# Altium PCB Phaser.PcbDoc (part 4 of 4)
Units mm, origin at the board's own origin, x right, y up, seen from the top; angles counter-clockwise.
Board outline 161.99 x 100 mm, 6 copper layers (L1, L2, L3, L4, P5, L6), stack 1.648 mm thick; 797 components, 586 nets, 3005 pads, 2 vias.
Unrouted connection lines stored in the file: 1433.
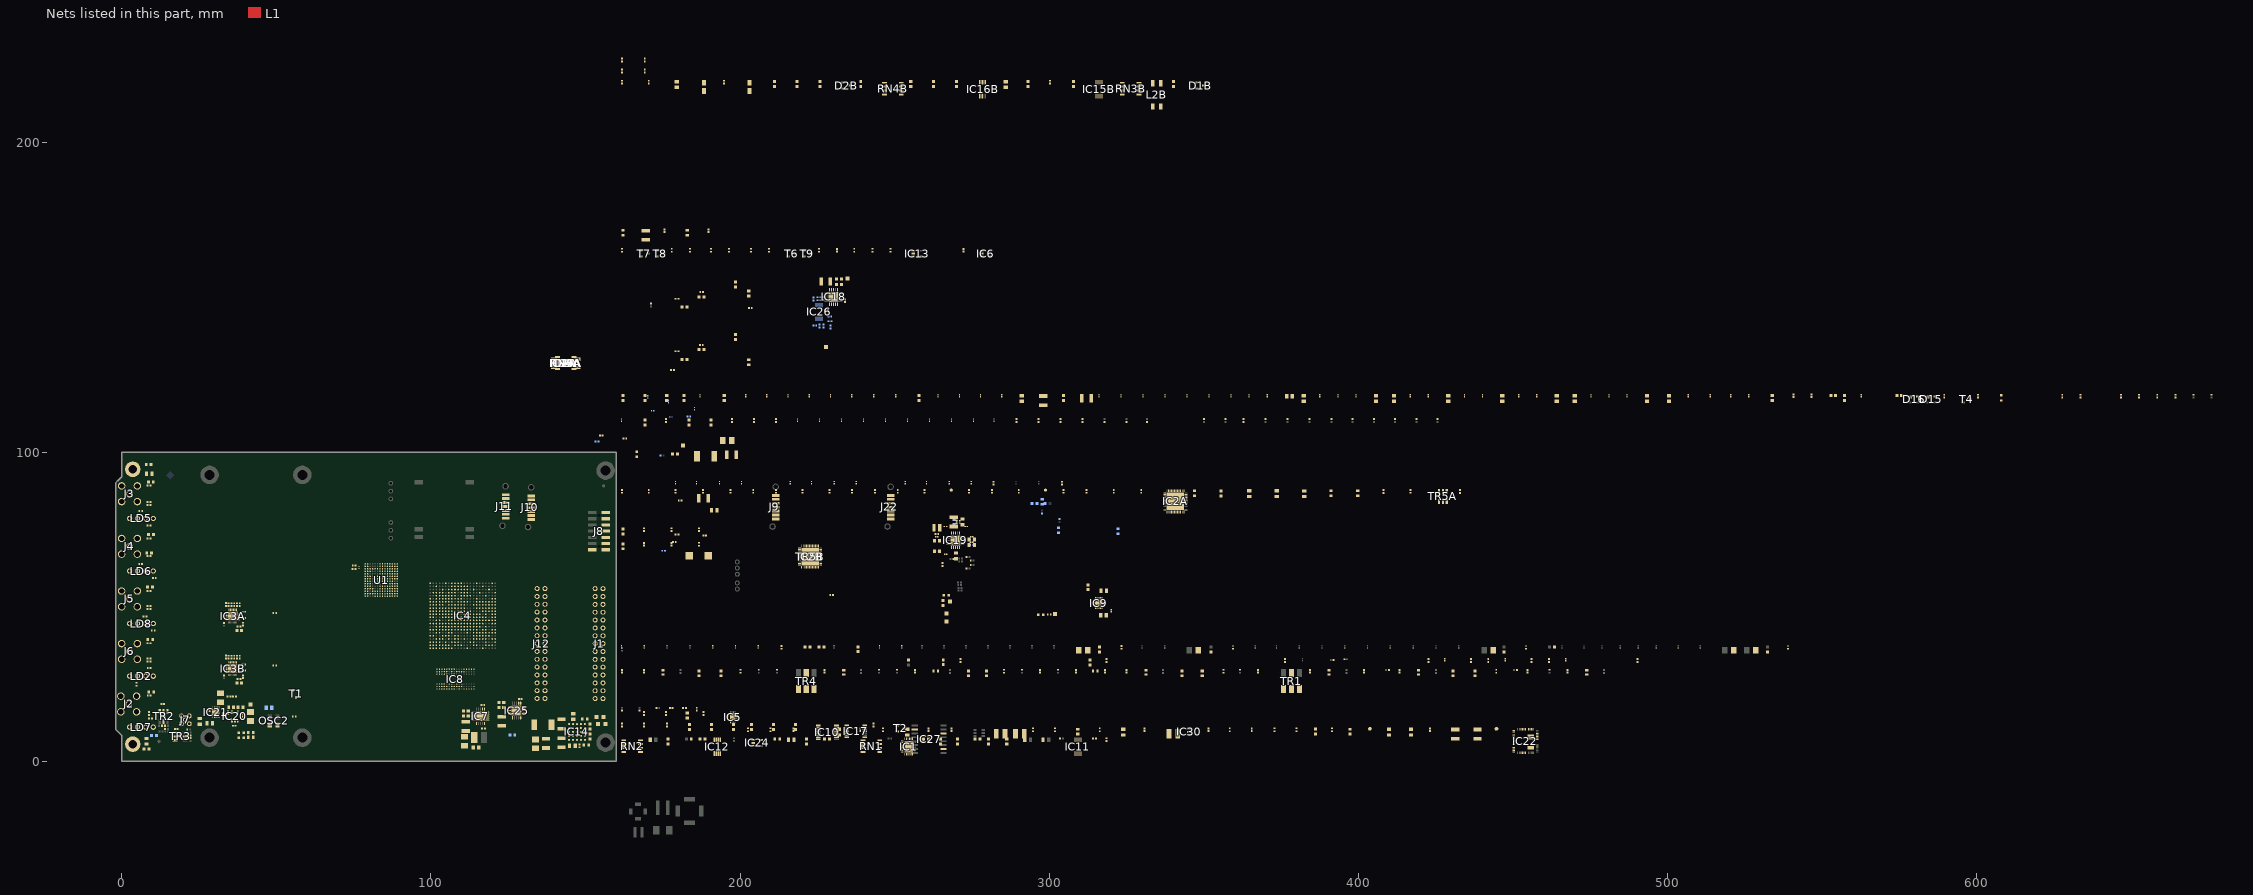
[diagram p5: the nets of this part, all layers, seen from the top]

## Via types
v1: diameter 0.5, hole 0.2, L1 to L6, tented both sides, 2 vias

## Nets (pads, with @x,y where several pads share a name; then routed paths per layer and width w, separated by ;. In a path a pad name is that pad's centre, name@x,y a point inside that pad or via, vN(x,y) a via of type N, cw(c..) or ccw(c..) an arc to the next point about the centre after c; other vN are vias at no path point) (continued)
DDR3_DQ6: IC4.H3 IC8.G2
DDR3_DQ7: IC4.J5 IC8.H7
DDR3_DQ8: IC4.G1 IC8.D7
DDR3_DQ9: IC4.B1 IC8.C3
DDR3_DQ10: IC4.F1 IC8.C8
DDR3_DQ11: IC4.F3 IC8.C2
DDR3_DQ12: IC4.C2 IC8.A7
DDR3_DQ13: IC4.A1 IC8.A2
DDR3_DQ14: IC4.D2 IC8.B8
DDR3_DQ15: IC4.B2 IC8.A3
DDR3_LDM: IC4.G2 IC8.E7
DDR3_LDQS_N: IC4.J2 IC8.G3
DDR3_LDQS_P: IC4.K2 IC8.F3
DDR3_ODT: IC4.K4 IC8.K1 R126.2
DDR3_RAS_N: IC4.J4 IC8.J3 R104.1
DDR3_RESET_N: IC4.G4 IC8.T2 R123.2
DDR3_UDM: IC4.E2 IC8.D3
DDR3_UDQS_N: IC4.D1 IC8.B7
DDR3_UDQS_P: IC4.E1 IC8.C7
DDR3_WE_N: IC4.K3 IC8.L3 R102.1
DIGVDD1.2: C310.2 C311.2 C312.2 C313.2 C314.2 C315.2 C316.2 C317.2 C318.2 C319.1 C320.2 C321.2 L12.1 U1.D7 U1.E5 U1.E6 U1.E7 U1.F5 U1.J5 U1.K5 U1.K6 U1.K7 U1.L7
DXN_0: IC4.N9 R239.2
DXP_0: IC4.N10 R238.2
EEM0_I2C_SCL: IC4.W2 R146.2 T7.2
EEM0_I2C_SDA: IC4.Y2 R84.2 T8.2
EEM1_I2C_SCL: IC4.R3 IC10.8 R141.2 T6.2
EEM1_I2C_SDA: IC4.R2 IC10.7 R78.2 T9.2
FLASH_UP_EN: IC10.2 IC17.5 IC17.6 IC17.12 IC17.13 R192.1
FPGA_DONE: IC4.G11 R57.1 R187.1 T4.1
FPGA_INIT_B: IC4.U12 T2.3
GND: C6.1 C7.1 C10.1 C11.2 C14A.1 C14B.1 C15A.1 C15B.1 C16A.1 C16B.1 C17.1 C18.1 C19.1 C20.1 C21.1 C22A.1 C22B.1 C23A.1 C23B.1 C24A.1 C24B.1 C25.2 C28.2 C30A.1 C30B.1 C31.2 C32.1 C33.2 C34.1 C35.2 C37.2 C41.1 C42.1 C44A.1 C44B.1 C45A.1 C45B.1 C46A.1 C46B.1 C48.1 C55.1 C56.1 C57.1 C58.1 C59.1 C60.1 C61.1 C62.1 C63.1 C64.1 C65.1 C66.1 C67.1 C68.1 C69.1 C70.1 C71.1 C72.1 C73.1 C74.1 C75.1 C76.1 C77.1 C78.1 C79.1 C82.1 C83.1 C84.1 C85.1 C86.1 C87.1 C88.1 C89.1 C90.1 C91.2 C92.1 C93.1 C94.1 C95.1 C96.1 C97.1 C98.1 C99.1 C100.1 C101.1 C102.1 C103.1 C104.1 C105.1 C106.1 C107.1 C108.1 C109.1 C110.1 C111.1 C112.1 C113.1 C114.1 C115.1 C116.1 C117.1 C118.1 C119.1 C120.1 C121.1 C122.1 C123.1 C124.1 C125.1 C126A.1 C126B.1 C127A.1 C127B.1 C128A.1 C128B.1 C129A.1 C129B.1 C130A.1 C130B.1 C131.1 C132.1 C133A.1 C133B.1 C134A.1 C134B.1 C139.1 C144.1 C145.1 C146.1 C148.1 C149.1 C153A.1 C153B.1 C154A.1 C154B.1 C155.1 C156.2 C160.2 C161.1 C162.1 C163.1 C164.1 C165.1 C166.1 C167.1 C168.1 C169.1 C170.1 C171.1 C172.1 C173.1 C174.1 C175.1 C176.1 C177.1 C178.1 C179.1 C180.2 C181.1 C182.1 C183.1 C184.2 C191.1 C195.2 C207.1 C208.1 C209.1 C210.1 C212.1 C213.1 C214.1 C215.1 C216.1 C217.1 C218.1 C219.1 C220.1 C221A.1 C221B.1 C223A.1 C223B.1 C224A.1 C224B.1 C225A.1 C225B.1 C227A.2 C227B.2 C228A.2 C228B.2 C229A.1 C229B.1 C230A.1 C230B.1 C231A.1 C231B.1 C232.1 C233.1 C234A.1 C234B.1 C235.1 C238.1 C239A.1 C239B.1 C240.1 C241A.1 C241B.1 C242.1 C243.2 C244.2 C245.2 C246.1 C247.1 C248.2 C249.1 C250.1 C251.1 C252.1 C253.1 C254.1 C255.2 C256.1 C257.1 C258.2 C259.1 C260.1 C262.1 C263.2 C264.1 C265.2 C266.1 C267.1 C268.2 C269.1 C271.1 C273A.1 C273B.1 C274A.1 C274B.1 C275A.1 C275B.1 C276A.1 C276B.1 C277A.1 C277B.1 C278.1 C279.1 C280A.1 C280B.1 C281A.2 C281B.2 C282A.1 C282B.1 C284A.1 C284B.1 C285A.1 C285B.1 C286A.1 C286B.1 C287A.1 C287B.1 C288A.1 C288B.1 C289A.1 C289B.1 C290.1 C291.1 C292.1 C293.1 C294.1 C295.1 C296.1 C297.1 C298.1 C299.1 C300.1 C301.2 C302.1 C303.1 C304.1 C305.2 C306.1 C307.1 C308.1 C309.1 C310.1 C311.1 C312.1 C313.1 C314.1 C315.1 C316.1 C317.1 C318.1 C319.2 C320.1 C321.1 C322.1 C323.1 C324.1 C325.1 C326.1 C327.1 C328.1 C329.1 C331.1 C332.1 C334.2 C335.1 C336.1 C338.2 C340.2 C1009.1 D15.1 D16.1 IC1.4 IC1.5 IC1.10 IC1.23 IC1.28 IC1.29 IC2A.4 IC2A.6 IC2A.8 IC2A.11 IC2A.12 IC2A.13 IC2A.15 IC2A.16 IC2A.17 IC2A.19 IC2A.22 IC2A.23 IC2A.24 IC2A.25 IC2A.26 IC2A.29 IC2A.31 IC2A.37 IC2A.39 IC2A.42 IC2A.44 IC2A.49 IC2B.4 IC2B.6 IC2B.8 IC2B.11 IC2B.12 IC2B.13 IC2B.15 IC2B.16 IC2B.17 IC2B.19 IC2B.22 IC2B.23 IC2B.24 IC2B.25 IC2B.26 IC2B.29 IC2B.31 IC2B.37 IC2B.39 IC2B.42 IC2B.44 IC2B.49 IC3A.1 IC3A.3 IC3A.5 IC3A.12 IC3A.14 IC3A.16 IC3A.17 IC3A.18 IC3A.23 IC3A.25 IC3B.1 IC3B.3 IC3B.5 IC3B.12 IC3B.14 IC3B.16 IC3B.17 IC3B.18 IC3B.23 IC3B.25 IC4.A2 IC4.A3 IC4.A5 IC4.A7 IC4.A9 IC4.A11 IC4.A12 IC4.A22 IC4.AA2 IC4.AA12 IC4.AA22 IC4.AB9 IC4.AB19 IC4.B3 IC4.B12 IC4.B19 IC4.C3 IC4.C6 IC4.C10 IC4.C12 IC4.C16 IC4.D3 IC4.D4 IC4.D8 IC4.D12 IC4.D13 IC4.E4 IC4.E5 IC4.E7 IC4.E9 IC4.E11 IC4.E12 IC4.E20 IC4.F5 IC4.F11 IC4.F17 IC4.G5 IC4.G6 IC4.G7 IC4.G8 IC4.G9 IC4.G10 IC4.G12 IC4.G14 IC4.H1 IC4.H7 IC4.H9 IC4.H11 IC4.H21 IC4.J8 IC4.J10 IC4.J12 IC4.J18 IC4.K5 IC4.K7 IC4.K11 IC4.K15 IC4.L2 IC4.L8 IC4.L22 IC4.M7 IC4.M11 IC4.M19 IC4.N6 IC4.N8 IC4.N16 IC4.P3 IC4.P7 IC4.P9 IC4.P11 IC4.P13 IC4.R8 IC4.R10 IC4.R12 IC4.R20 IC4.T7 IC4.T9 IC4.T11 IC4.T17 IC4.U4 IC4.U14 IC4.V1 IC4.V11 IC4.V21 IC4.W8 IC4.W18 IC4.Y5 IC4.Y15 IC5.1 IC5.17 IC6.2 IC7.12 IC7.21 IC8.A9 IC8.B1 IC8.B3 IC8.B9 IC8.D1 IC8.D8 IC8.E1 IC8.E2 IC8.E8 IC8.F9 IC8.G1 IC8.G8 IC8.G9 IC8.J2 IC8.J8 IC8.M1 IC8.M9 IC8.P1 IC8.P9 IC8.T1 IC8.T9 IC9.4 IC9.8 IC9.11 IC10.4 IC11.3 IC11.4 IC11.5 IC11.8 IC13.2 IC14.B5 IC14.C1 IC14.C2 IC14.C5 IC14.D5 IC16A.2 IC16A.9 IC16B.2 IC16B.9 IC17.7 IC18.12 IC18.21 IC19.12 IC19.21 IC20.2 IC21.5 IC21.8 IC21.11 IC22.26 IC22.31 IC22.35 IC22.42 IC22.45 IC22.53 IC22.54 IC24.2 IC25.12 IC25.21 IC26.4 IC27.10 IC30.5 IC30.7 J1.1 J1.4 J1.7 J1.10 J1.13 J1.16 J1.19 J1.22 J1.25 J7.2 J8.1 J8.3 J8.5 J8.7 J8.9 J8.11 J8.13 J9.1 J9.4 J9.7 J10.1 J10.4 J10.7 J11.1 J11.4 J11.7 J12.1 J12.4 J12.7 J12.10 J12.13 J12.16 J12.19 J12.22 J12.25 J22.1 J22.4 J22.7 L5.1 LD1.1 LD2.1 LD2.3 LD4.1 LD5.1 LD5.3 LD6.1 LD6.3 LD7.1 LD8.1 LD8.3 LD9.1 LD10.1 LD11.1 OSC2.3 R11.2 R12.1 R13.2 R14.1 R15.1 R16.2 R19.1 R21.1 R24.2 R31.1 R35.2 R45.1 R48.1 R51A.1 R51B.1 R64.1 R65.1 R75.1 R80.1 R81.1 R87.2 R91.1 R122.1 R123.1 R124.1 R125.1 R126.1 R129.1 R130.1 R132.1 R135.1 R137A.1 R137B.1 R150.1 R151.1 R155.2 R156.1 R157.1 R158.1 R159.1 R160.1 R161.1 R162.2 R168.1 R176.1 R177.1 R178.1 R181.1 R186.2 R189.2 R190.2 R192.2 R193A.1 R193B.1 R196A.1 R196B.1 R198.1 R237.1 R238.1 R239.1 R382.1 RN1.4 RN2.7 T1.2 T2.2 T4.2 TR1.2 TR1.3 TR1.5 TR2.1 TR2.2 TR2.5 TR3.1 TR3.2 TR3.5 TR4.2 TR4.3 TR4.5 TR5A.1 TR5A.2 TR5A.5 TR5B.1 TR5B.2 TR5B.5 U1.A10 U1.A13 U1.A14 U1.B10 U1.B11 U1.B12 U1.B13 U1.C5 U1.C6 U1.C7 U1.C8 U1.C9 U1.C10 U1.C13 U1.D8 U1.D13 U1.D14 U1.E8 U1.E12 U1.E13 U1.F6 U1.F7 U1.F8 U1.F9 U1.F12 U1.F13 U1.G6 U1.G7 U1.G8 U1.G9 U1.G13 U1.G14 U1.H6 U1.H7 U1.H8 U1.H9 U1.H13 U1.H14 U1.J6 U1.J7 U1.J8 U1.J9 U1.J12 U1.J13 U1.K8 U1.K13 U1.L8 U1.L13 U1.L14 U1.M5 U1.M6 U1.M7 U1.M8 U1.M9 U1.M10 U1.M11 U1.M12 U1.M13 U1.N13 U1.P13 U1.P14
I2C_SCL0: IC6.1 J1.27 R144.2 R175.1 T6.3
I2C_SCL1: IC13.1 J12.27 R149.2 T7.3
I2C_SDA0: IC6.3 J1.26 R142.2 R173.1 T9.3
I2C_SDA1: IC13.3 J12.26 R148.2 T8.3
IN_0_N: C224B.2 C226B.2 IC1.6 R97B.2
IN_0_P: C226B.1 C227B.1 IC1.7 R58B.2
IN_1_N: C224A.2 C226A.2 IC1.3 R97A.2
IN_1_P: C226A.1 C227A.1 IC1.2 R58A.2
IOUTA_N: C136.1 L30.1 R12.2 R1017.2 U1.C14
IOUTA_P: C136.2 L28.1 R11.1 R1017.1 U1.B14
IOUTB_N: C151.1 L36.1 R15.2 R49.2 U1.E14
IOUTB_P: C151.2 L32.1 R13.1 R49.1 U1.F14
IOUTC_N: C36.1 L21.1 R21.2 R71.2 U1.K14
IOUTC_P: C36.2 L1.1 R16.1 R71.1 U1.J14
IOUTD_N: C140.1 L39.1 R31.2 R79.2 U1.M14
IOUTD_P: C140.2 L23.1 R24.1 R79.1 U1.N14
IOVDD25: C322.2 C323.2 L7.1 U1.L12
IOVDD33: U1.D5 U1.D6 U1.G5 U1.H5 U1.L5 U1.L6
ISTR_PARITYAB_N: IC4.D19 U1.H1
ISTR_PARITYAB_P: IC4.E19 U1.H2
LED0: IC4.AA4 R27.1
LED1: IC4.V4 R28.1
LED2: IC4.W4 R29.1
LED3: IC4.R4 R30.1
LED4: IC4.T4 R152.1
LED5: IC4.T5 R44.1
LED6: IC4.U5 R153.1
LED7: IC4.W6 R26.1
LVDS0_N: IC4.W12 J1.3
LVDS0_P: IC4.W11 J1.2
LVDS1_N: IC4.AA16 J1.6
LVDS1_P: IC4.Y16 J1.5
LVDS2_N: IC4.AB17 J1.9
LVDS2_P: IC4.AB16 J1.8
LVDS3_N: IC4.AB13 J1.12
LVDS3_P: IC4.AA13 J1.11
LVDS4_N: IC4.AB15 J1.15
LVDS4_P: IC4.AA15 J1.14
LVDS5_N: IC4.AA14 J1.18
LVDS5_P: IC4.Y13 J1.17
LVDS6_N: IC4.Y14 J1.21
LVDS6_P: IC4.W14 J1.20
LVDS7_N: IC4.AB12 J1.24
LVDS7_P: IC4.AB11 J1.23
LVDS8_N: IC4.V14 J12.3
LVDS8_P: IC4.V13 J12.2
LVDS9_N: IC4.AB10 J12.6
LVDS9_P: IC4.AA9 J12.5
LVDS10_N: IC4.AA11 J12.9
LVDS10_P: IC4.AA10 J12.8
LVDS11_N: IC4.W10 J12.12
LVDS11_P: IC4.V10 J12.11
LVDS12_N: IC4.V15 J12.15
LVDS12_P: IC4.U15 J12.14
LVDS13_N: IC4.T15 J12.18
LVDS13_P: IC4.T14 J12.17
LVDS14_N: IC4.W16 J12.21
LVDS14_P: IC4.W15 J12.20
LVDS15_N: IC4.U16 J12.24
LVDS15_P: IC4.T16 J12.23
LVDSA0_N: IC4.G13 U1.G3
LVDSA0_P: IC4.H13 U1.G4
LVDSA1_N: IC4.G16 U1.F1
LVDSA1_P: IC4.G15 U1.F2
LVDSA2_N: IC4.H14 U1.F3
LVDSA2_P: IC4.J14 U1.F4
LVDSA3_N: IC4.G18 U1.E1
LVDSA3_P: IC4.G17 U1.E2
LVDSA4_N: IC4.H15 U1.E3
LVDSA4_P: IC4.J15 U1.E4
LVDSA5_N: IC4.H18 U1.D1
LVDSA5_P: IC4.H17 U1.D2
LVDSA6_N: IC4.H22 U1.D3
LVDSA6_P: IC4.J22 U1.D4
LVDSA7_N: IC4.G20 U1.C1
LVDSA7_P: IC4.H20 U1.C2
LVDSA8_N: IC4.K22 U1.C3
LVDSA8_P: IC4.K21 U1.C4
LVDSA9_N: IC4.L21 U1.B1
LVDSA9_P: IC4.M21 U1.A1
LVDSA10_N: IC4.J21 U1.B2
LVDSA10_P: IC4.J20 U1.A2
LVDSA11_N: IC4.H19 U1.B3
LVDSA11_P: IC4.J19 U1.A3
LVDSA12_N: IC4.L20 U1.B4
LVDSA12_P: IC4.L19 U1.A4
LVDSA13_N: IC4.L18 U1.B5
LVDSA13_P: IC4.M18 U1.A5
LVDSA14_N: IC4.N19 U1.B6
LVDSA14_P: IC4.N18 U1.A6
LVDSA15_N: IC4.M20 U1.B7
LVDSA15_P: IC4.N20 U1.A7
LVDSB0_N: IC4.K14 U1.P7
LVDSB0_P: IC4.K13 U1.N7
LVDSB1_N: IC4.L13 U1.P6
LVDSB1_P: IC4.M13 U1.N6
LVDSB2_N: IC4.J17 U1.P5
LVDSB2_P: IC4.K17 U1.N5
LVDSB3_N: IC4.L15 U1.P4
LVDSB3_P: IC4.L14 U1.N4
LVDSB4_N: IC4.K16 U1.P3
LVDSB4_P: IC4.L16 U1.N3
LVDSB5_N: IC4.M16 U1.P2
LVDSB5_P: IC4.M15 U1.N2
LVDSB6_N: IC4.F14 U1.P1
LVDSB6_P: IC4.F13 U1.N1
LVDSB7_N: IC4.E17 U1.M1
LVDSB7_P: IC4.F16 U1.M2
LVDSB8_N: IC4.C15 U1.M3
LVDSB8_P: IC4.C14 U1.M4
LVDSB9_N: IC4.E14 U1.L1
LVDSB9_P: IC4.E13 U1.L2
LVDSB10_N: IC4.D16 U1.L3
LVDSB10_P: IC4.E16 U1.L4
LVDSB11_N: IC4.D15 U1.K1
LVDSB11_P: IC4.D14 U1.K2
LVDSB12_N: IC4.B16 U1.K3
LVDSB12_P: IC4.B15 U1.K4
LVDSB13_N: IC4.B13 U1.J1
LVDSB13_P: IC4.C13 U1.J2
LVDSB14_N: IC4.A16 U1.J3
LVDSB14_P: IC4.A15 U1.J4
LVDSB15_N: IC4.A14 U1.H3
LVDSB15_P: IC4.A13 U1.H4
MGT_RX0_N: C204.2
MGT_RX0_P: C203.2
MGT_RX1_N: C193.2
MGT_RX1_P: C192.2
MGT_RX2_N: C186.2
MGT_RX2_P: C185.2
MGT_RX3_N: C199.2 IC4.C9
MGT_RX3_P: C198.2 IC4.D9
MGT_TX0_N: C205.2
MGT_TX0_P: C206.2
MGT_TX1_N: C197.2
MGT_TX1_P: C202.2
MGT_TX2_N: C187.2
MGT_TX2_P: C188.2
MGT_TX3_N: C200.2 IC4.C7
MGT_TX3_P: C201.2 IC4.D7
MGTAVCC: C57.2 C100.2 C124.2 C125.2 C148.2 C220.2 IC4.D6 IC4.D10 IC4.E8 IC4.F7 IC4.F9 L15.2
MGTAVTT: C97.2 C101.2 C112.2 C113.2 C114.2 C115.2 C116.2 IC4.B5 IC4.B7 IC4.B9 IC4.B11 IC4.C4 IC4.C8 L18.2 R191.1
N11V5A: C88.2 C230A.2 C230B.2 C231A.2 C231B.2 C241A.2 C241B.2 D1A.1 D1B.1 D2A.1 D2B.1 IC12.4 IC15A.4 IC15B.4 IC16A.3 IC16A.6 IC16B.3 IC16B.6
NetB1_1: B1.1 C243.1 R159.2
NetB2_1: B2.1 C244.1 R161.2
NetB3A_1: B3A.1 IC2A.34
NetB3B_1: B3B.1 IC2B.34
NetB4A_1: B4A.1 IC2A.33
NetB4B_1: B4B.1 IC2B.33
NetC1_2: C1.2 C80.1 IC1.27
NetC2_1: C2.1 C8.2 IC1.11
NetC3_1: C3.1 IC5.11
NetC3_2: C3.2 C280A.2 TR5A.6
NetC4_1: C4.1 IC5.12
NetC4_2: C4.2 C281A.1 TR5A.4
NetC5_1: C5.1 IC5.13
NetC6_2: C6.2 IC1.24
NetC7_2: C7.2 IC1.13
NetC9_1: C9.1 IC5.14
NetC12_1: C12.1 IC5.15
NetC13_1: C13.1 IC5.16
NetC14A_2: C14A.2 IC3A.6
NetC14B_2: C14B.2 IC3B.6
NetC15A_2: C15A.2 IC3A.7
NetC15B_2: C15B.2 IC3B.7
NetC16A_2: C16A.2 IC3A.8
NetC16B_2: C16B.2 IC3B.8
NetC22A_2: C22A.2 C23A.2 C24A.2 C277A.2 IC3A.2 L16A.2
NetC22B_2: C22B.2 C23B.2 C24B.2 C277B.2 IC3B.2 L16B.2
NetC25_1: C25.1 C145.2 U1.G12
NetC26_1: C26.1 IC5.9
NetC26_2: C26.2 C280B.2 TR5B.6
NetC27_1: C27.1 IC5.10
NetC27_2: C27.2 C281B.1 TR5B.4
NetC29_1: C29.1 R61.1
NetC29_2: C29.2 C49.2 L1.2
NetC30A_2: C30A.2 C46A.2 C133A.2 IC2A.30 L25A.1
NetC30B_2: C30B.2 C46B.2 C133B.2 IC2B.30 L25B.1
NetC32_2: C32.2 R36.1
NetC38_1: C38.1 C39.1 C40.1 C47.1 C143.1 C147.1 C158.1 C159.1
NetC43A_1: C43A.1 R193A.2 TR5A.3
NetC43A_2: C43A.2 IC2A.43
NetC43B_1: C43B.1 R193B.2 TR5B.3
NetC43B_2: C43B.2 IC2B.43
NetC44A_2: C44A.2 C126A.2 IC2A.41 L19A.1
NetC44B_2: C44B.2 C126B.2 IC2B.41 L19B.1
NetC45A_2: C45A.2 C134A.2 IC2A.7 L27A.2
NetC45B_2: C45B.2 C134B.2 IC2B.7 L27B.2
NetC49_1: C49.1 C52.2 L21.2
NetC52_1: C52.1 R67.1
NetC53_1: C53.1 R76.1
NetC53_2: C53.2 C141.2 L23.2
NetC84_2: C84.2 IC11.2 R4.2
NetC86_2: C86.2 IC12.3 RN1.1 RN1.5
NetC89_2: C89.2 IC12.5 RN2.3 RN2.5
NetC123_2: C123.2 C131.2 IC5.5 L10.1
NetC127A_2: C127A.2 C128A.2 IC2A.32 L20A.1
NetC127B_2: C127B.2 C128B.2 IC2B.32 L20B.1
NetC129A_2: C129A.2 C130A.2 IC2A.3 L24A.1
NetC129B_2: C129B.2 C130B.2 IC2B.3 L24B.1
NetC135_1: C135.1 R37.1
NetC135_2: C135.2 C137.2 L28.2
NetC137_1: C137.1 C138.2 L30.2
NetC138_1: C138.1 R39.1
NetC141_1: C141.1 C142.2 L39.2
NetC142_1: C142.1 R86.1
NetC146_2: C146.2 R36.2 U1.D12
NetC150_1: C150.1 R40.1
NetC150_2: C150.2 C152.2 L32.2
NetC152_1: C152.1 C157.2 L36.2
NetC153A_2: C153A.2 C288A.2 IC2A.20 L34A.2
NetC153B_2: C153B.2 C288B.2 IC2B.20 L34B.2
NetC154A_2: C154A.2 C289A.2 IC2A.21 L35A.1
NetC154B_2: C154B.2 C289B.2 IC2B.21 L35B.1
NetC155_2: C155.2 C266.2 IC21.9 IC21.10
NetC157_1: C157.1 R54.1
NetC161_2: C161.2 IC14.A1 IC14.B1 L3.1
NetC175_2: C175.2 IC9.1 R128.2 R129.2
NetC190_1: C190.1 J7.1
NetC190_2: C190.2 R73.1 TR3.3
NetC196_1: C196.1 J2.1
NetC196_2: C196.2 R46.1 TR2.3
NetC211_1: C211.1 IC22.36 R18.1 R19.2 R134.1
NetC221A_2: C221A.2 C222A.2 D1A.3 IC16A.10 R10A.2
NetC221B_2: C221B.2 C222B.2 D1B.3 IC16B.10 R10B.2
NetC222A_1: C222A.1 C225A.2 D2A.3 IC16A.1 R74A.2
NetC222B_1: C222B.1 C225B.2 D2B.3 IC16B.1 R74B.2
NetC223A_2: C223A.2 IC15A.3 R72A.2 RN4A.1 RN4A.4
NetC223B_2: C223B.2 IC15B.3 R72B.2 RN4B.1 RN4B.4
NetC234A_2: C234A.2 IC15A.5 R138A.2
NetC234B_2: C234B.2 IC15B.5 R138B.2
NetC246_2: C246.2 IC14.D1 IC14.E1 L42.1
NetC253_2: C253.2 IC14.A3 IC14.E3
NetC261_1: C261.1 IC20.3
NetC268_1: C268.1 IC21.7 R133.2
NetC270A_1: C270A.1 IC3A.4
NetC270A_2: C270A.2 R60A.2 R184A.2
NetC270B_1: C270B.1 IC3B.4
NetC270B_2: C270B.2 R60B.2 R184B.2
NetC272A_2: C272A.2 IC3A.15
NetC272B_2: C272B.2 IC3B.15
NetC273A_2: C273A.2 IC3A.9
NetC273B_2: C273B.2 IC3B.9
NetC274A_2: C274A.2 IC3A.10
NetC274B_2: C274B.2 IC3B.10
NetC275A_2: C275A.2 IC3A.11
NetC275B_2: C275B.2 IC3B.11
NetC276A_2: C276A.2 IC3A.13
NetC276B_2: C276B.2 IC3B.13
NetC282A_2: C282A.2 C283A.2 IC2A.40 R195A.2
NetC282B_2: C282B.2 C283B.2 IC2B.40 R195B.2
NetC283A_1: C283A.1 R196A.2
NetC283B_1: C283B.1 R196B.2
NetC284A_2: C284A.2 R194A.1 R195A.1
NetC284B_2: C284B.2 R194B.1 R195B.1
NetC285A_2: C285A.2 IC2A.38 R194A.2
NetC285B_2: C285B.2 IC2B.38 R194B.2
NetC286A_2: C286A.2 C287A.2 IC2A.35 L45A.1
NetC286B_2: C286B.2 C287B.2 IC2B.35 L45B.1
NetC324_2: C324.2 C325.2 C326.2 C327.2 C328.2 C329.2 L41.1
NetC330_1: C330.1 R134.2
NetC330_2: C330.2 IC22.8 IC22.9 IC22.10 IC22.48 IC22.49 IC22.50 IC22.51 R136.2
NetC331_2: C331.2 IC22.47 R136.1
NetC333_1: C333.1 IC30.6 R166.1 R197.2
NetC337_1: C337.1 R234.1 R237.2
NetC339_1: C339.1 R381.1 R382.2
NetIC1_9: IC1.9 IC24.5
NetIC1_25: IC1.25 R1.1
NetIC2A_18: IC2A.18
NetIC2B_18: IC2B.18 R60A.1
NetIC3A_19: IC3A.19 R170.2
NetIC3B_19: IC3B.19 R147.2
NetIC4_F8: IC4.F8 R191.2
NetIC4_N12: IC4.N12 R93.2 T1.3
NetIC4_U9: IC4.U9 R48.2
NetIC4_U10: IC4.U10 R91.2
NetIC4_U11: IC4.U11 R89.2
NetIC5_2: IC5.2 R165.2
NetIC7_16: IC7.16 R23.1 R80.2
NetIC8_L2: IC8.L2 R124.2
NetIC8_L8: IC8.L8 R125.2
NetIC9_9: IC9.9 R127.1
NetIC10_3: IC10.3 R185.1
NetIC10_10: IC10.10 R187.2
NetIC10_13: IC10.13 R56.2
NetIC10_14: IC10.14 R186.1
NetIC10_15: IC10.15 R188.1
NetIC10_16: IC10.16 R189.1
NetIC11_1: IC11.1 R90.1
NetIC12_2: IC12.2 RN1.6
NetIC12_6: IC12.6 R7.1 RN1.2
NetIC14_A4: IC14.A4 R164.1
NetIC14_A5: IC14.A5 TP8.1
NetIC14_B2: IC14.B2 IC14.D2 R169.2 R174.2
NetIC14_C3: IC14.C3 TP5.1
NetIC14_C4: IC14.C4 TP6.1
NetIC14_E4: IC14.E4 R155.1 R162.1
NetIC14_E5: IC14.E5 TP7.1
NetIC15A_1: IC15A.1 R97A.1 RN3A.7 RN4A.7
NetIC15A_2: IC15A.2 RN3A.2 RN3A.3
NetIC15A_6: IC15A.6 RN4A.2 RN4A.3
NetIC15A_7: IC15A.7 R58A.1 RN4A.6
NetIC15B_1: IC15B.1 R97B.1 RN3B.7 RN4B.7
NetIC15B_2: IC15B.2 RN3B.2 RN3B.3
NetIC15B_6: IC15B.6 RN4B.2 RN4B.3
NetIC15B_7: IC15B.7 R58B.1 RN4B.6
NetIC16A_7: IC16A.7 RN3A.1
NetIC16B_7: IC16B.7 RN3B.1
NetIC18_16: IC18.16 R130.2 R179.1
NetIC19_16: IC19.16 R180.1 R181.2
NetIC20_4: IC20.4 R131.1 R132.2
NetIC22_4: IC22.4 IC22.43 IC22.44 TP2.1
NetIC22_5: IC22.5 IC22.6
NetIC22_37: IC22.37 TP1.1
NetIC22_38: IC22.38 R20.1
NetIC25_16: IC25.16 R167.1 R168.2
NetIC26_1: IC26.1 R171.1 R173.2
NetIC26_2: IC26.2 R172.1 R175.2
NetIC26_3: IC26.3 LD7.3 R174.1
NetIC26_5: IC26.5 R176.2
NetIC26_6: IC26.6 R177.2
NetIC26_7: IC26.7 R178.2
NetIC30_4: IC30.4 L43.1
NetJ3_1: J3.1 L2B.1 R8B.1
NetJ4_1: J4.1 L2A.1 R8A.1
NetL2A_3: L2A.3 R25A.1 R98A.2
NetL2A_4: L2A.4 R8A.2 R9A.1
NetL2B_3: L2B.3 R25B.1 R98B.2
NetL2B_4: L2B.4 R8B.2 R9B.1
NetL9_1: L9.1 R61.2 R62.2 R69.2
NetL9_2: L9.2 R63.2
NetL22_1: L22.1 R66.2 R67.2 R68.2
NetL22_2: L22.2 R63.1
NetL29_1: L29.1 R17.2 R37.2 R59.2
NetL29_2: L29.2 R38.2
NetL31_1: L31.1 R2.2 R3.2 R39.2
NetL31_2: L31.2 R38.1
NetL33_1: L33.1 R32.2 R40.2
NetL33_2: L33.2 R41.2
NetL37_1: L37.1 R76.2 R77.2
NetL37_2: L37.2 R83.2
NetL38_1: L38.1 R50.2 R54.2
NetL38_2: L38.2 R41.1
NetL40_1: L40.1 R85.2 R86.2
NetL40_2: L40.2 R83.1
NetLD1_2: LD1.2 R154.1
NetLD2_2: LD2.2 R153.2
NetLD2_4: LD2.4 R26.2
NetLD3_1: LD3.1 T4.3
NetLD3_2: LD3.2 R92.1
NetLD4_2: LD4.2 R182.1
NetLD5_2: LD5.2 R27.2
NetLD5_4: LD5.4 R28.2
NetLD6_2: LD6.2 R29.2
NetLD6_4: LD6.4 R30.2
NetLD7_4: LD7.4 R143.1
NetLD8_2: LD8.2 R152.2
NetLD8_4: LD8.4 R44.2
NetLD9_2: LD9.2 R139.1
NetLD10_2: LD10.2 R183.1
NetLD11_2: LD11.2 R33.1
NetR9A_2: R9A.2 R10A.1 R51A.2
NetR9B_2: R9B.2 R10B.1 R51B.2
NetR25A_2: R25A.2 R74A.1 R137A.2
NetR25B_2: R25B.2 R74B.1 R137B.2
NetR34_1: R34.1 U1.H12
NetR34_2: R34.2 R35.1
NetR56_1: R56.1 R190.1 T1.1 T2.1
NetR60B_1: R60B.1
NetR70_1: R70.1 T6.1
NetR82_1: R82.1 T7.1
NetR87_1: R87.1 R164.2
NetR90_2: R90.2
NetR133_1: R133.1 R135.2
NetR140_1: R140.1 T9.1
NetR145_1: R145.1 T8.1
NetR184A_1: R184A.1 TR1.1
NetR184B_1: R184B.1 TR4.1
NetR197_1: R197.1 R198.2
NetRN2_1: RN2.1 RN2.2
NetRN2_4: RN2.4 RN2.8
NetRN3A_4: RN3A.4 RN3A.8
NetRN3A_5: RN3A.5 RN3A.6
NetRN3B_4: RN3B.4 RN3B.8
NetRN3B_5: RN3B.5 RN3B.6
OSTR_N: IC4.E18 U1.B9
OSTR_P: IC4.F18 U1.A9
P1V0: C91.1 C92.2 C93.2 C94.2 C95.2 C96.2 C102.2 C103.2 C104.2 C105.2 C106.2 C107.2 C108.2 C109.2 C110.2 IC4.H8 IC4.H10 IC4.J7 IC4.J9 IC4.K8 IC4.L7 IC4.M8 IC4.N7 IC4.P8 IC4.P10 IC4.R7 IC4.R9 IC4.T8 IC4.T10 L13.1 L15.1
P1V2: C337.2 C338.1 L18.1 L46.2 R234.2
P1V2A: L6.2 L11.2 L12.2
P1V2LX: L46.1
P1V5: C60.2 C65.2 C87.2 C90.2 C164.2 C165.2 C166.2 C167.2 C168.2 C169.2 C170.2 C171.2 C176.2 C213.2 C214.2 C215.2 C240.2 IC4.C1 IC4.F2 IC4.H6 IC4.J3 IC4.M4 IC4.N1 IC8.A1 IC8.A8 IC8.B2 IC8.C1 IC8.C9 IC8.D2 IC8.D9 IC8.E9 IC8.F1 IC8.G7 IC8.H2 IC8.H9 IC8.K2 IC8.K8 IC8.N1 IC8.N9 IC8.R1 IC8.R9 IC9.2 R128.1
P1V8: C232.2 C269.2 IC19.1 IC19.18 IC19.19 IC19.20 L4.1 L26.1 R180.2
P1V8A: C260.2 IC18.1 IC18.18 IC18.19 IC18.20 L10.2 R179.2 TP10.1
P2V1: C254.2 C255.1 C258.1 C265.1 IC18.5 IC18.6 IC18.7 IC18.8 IC19.5 IC19.6 IC19.7 IC19.8 L3.2 TP11.1
P2V5A: C20.2 C21.2 C78.2 IC1.14 L8.1 R1.2
P2V5LX: L47.1
P3V3: C63.2 C76.2 C77.2 C79.2 C172.2 C208.2 C216.2 C257.2 C333.2 C334.1 C335.2 C336.2 IC4.AA7 IC4.AB4 IC4.R5 IC4.T2 IC4.V6 IC4.W3 IC9.7 IC9.10 IC25.1 IC25.18 IC25.19 IC25.20 IC27.2 L43.2 R78.1 R84.1 R92.2 R127.2 R141.1 R146.1 R166.2 R167.2 R182.2 TP12.1
P3V3_MP: C10.2 C48.2 C242.2 IC6.4 IC13.4 IC26.8 J1.30 J12.30 R142.1 R143.2 R144.1 R148.1 R149.1 R169.1 R171.2 R172.2 R183.2 TP14.1
P3V3A: C252.2 IC7.1 IC7.18 IC7.19 IC7.20 L14.2 L17.2 L19A.2 L19B.2 L20A.2 L20B.2 L24A.2 L24B.2 L41.2 L45A.2 L45B.2 R23.2 TP13.1
P3V6: C160.1 C245.1 C247.2 C248.1 IC7.5 IC7.6 IC7.7 IC7.8 IC25.5 IC25.6 IC25.7 IC25.8 L42.2 R154.2 TP15.1
P5V0: C332.2 IC30.2 IC30.3
P5V0A: C17.2 C18.2 C19.2 C251.2 C256.2 C259.2 C261.2 C263.1 C264.2 C267.2 IC1.1 IC1.8 IC7.10 IC7.11 IC18.10 IC18.11 IC19.10 IC19.11 IC20.5 IC25.10 IC25.11 L16A.1 L16B.1 L25A.2 L25B.2 L27A.1 L27B.1 L34A.1 L34B.1 L35A.2 L35B.2 R131.2 R139.2 TP16.1
P5V5: C139.2 C178.2 C211.2 IC22.12 IC22.13 IC22.14 IC22.15 IC22.16 IC22.17 IC22.18 IC22.19 IC22.20 IC22.21 R18.2
P7V5: R53.2
P7V5A: C132.2 C156.1 C183.2 C262.2 IC20.1 IC21.1 IC21.2 IC21.3 IC21.6 L44.2
P11V5A: C42.2 C228A.1 C228B.1 C229A.2 C229B.2 C239A.2 C239B.2 D1A.2 D1B.2 D2A.2 D2B.2 IC12.8 IC15A.8 IC15B.8 IC16A.8 IC16B.8 R4.1
P12V0: C179.2 C181.2 C182.2 C249.2 C250.2 IC14.A2 IC14.B3 IC14.D3 IC14.E2 IC22.1 IC22.2 IC22.39 IC22.52 J1.28 J1.29 J12.28 J12.29 R20.2 R33.2 R70.2 R82.2 R140.2 R145.2 TP18.1
PARITYCD_N: IC4.C19 U1.P8
PARITYCD_P: IC4.C18 U1.N8
PGOOD: IC7.9 IC14.B4 IC14.D4 IC18.9 IC19.9 IC25.9 LD7.2 R53.1
PLLAVDD33: C308.2 C309.2 C1009.2 L14.1 U1.C11 U1.D11
REF_P1V7066: IC12.7 R7.2 R72A.1 R72B.1 RN1.7 RN4A.5 RN4A.8 RN4B.5 RN4B.8
REF_P2V048: IC12.1 R138A.1 R138B.1 RN1.3 RN2.6
REF_P4V096: C85.2 IC11.6 IC11.7 R6.1 RN1.8
RF_OUT0: C272A.1 J5.1
RF_OUT1: C272B.1 J6.1
SATA_RX_N: C186.1 C193.1 C199.1 C204.1 J9.5 J10.5 J11.5 J22.5
SATA_RX_P: C185.1 C192.1 C198.1 C203.1 J9.6 J10.6 J11.6 J22.6
SATA_TX_N: C188.1 C201.1 C202.1 C206.1 J9.2 J10.2 J11.2 J22.2
SATA_TX_P: C187.1 C197.1 C200.1 C205.1 J9.3 J10.3 J11.3 J22.3
SC_MISO: IC10.5 IC17.8
SC_MOSI: IC10.6 IC17.4
SC_SCLK: IC10.11 IC17.1
SC_SSEL: IC10.1 IC17.11
SG0: C37.1 J2.2 R14.2 R150.2
SG1: C11.1 J3.2 L2B.2 R64.2 R98B.1 R156.2
SG2: C31.1 J4.2 L2A.2 R65.2 R98A.1 R157.2
SG3: C33.1 C34.2 J5.2 R151.2 R158.2
SG4: C35.1 C41.2 J6.2 R75.2 R160.2
SMA_CLK_SEL: IC4.AB3 R165.1
SYNC_N: IC4.C17 U1.B8
SYNC_P: IC4.D17 U1.A8
TRF0_CLK: IC2B.47 IC4.V5
TRF0_DATA: IC2B.46 IC4.U6
TRF0_LD: IC2B.5 IC4.Y6
TRF0_LE: IC2B.45 IC4.W5
TRF0_PS: IC2B.1 IC4.R6
TRF0_RDBK: IC2B.2 IC4.T6
TRF1_CLK: IC2A.47 IC4.W7
TRF1_DATA: IC2A.46 IC4.V7
TRF1_LD: IC2A.5 IC4.V9
TRF1_LE: IC2A.45 IC4.AA6
TRF1_PS: IC2A.1 IC4.AB7
TRF1_RDBK: IC2A.2 IC4.AB6
VCC: C55.2 C58.2 C61.2 C62.2 C64.2 C66.2 C67.2 C68.2 C70.2 C71.2 C72.2 C73.2 C74.2 C75.2 C82.2 C207.2 C209.2 C210.2 C212.2 C217.2 C218.2 C238.2 C278.2 C279.2 C339.2 C340.1 D15.4 D16.4 IC4.A17 IC4.AA17 IC4.AB14 IC4.B14 IC4.C21 IC4.D18 IC4.E15 IC4.F12 IC4.F22 IC4.G19 IC4.H16 IC4.J13 IC4.K20 IC4.L17 IC4.M14 IC4.N21 IC4.P18 IC4.R15 IC4.T12 IC4.T22 IC4.U8 IC4.U19 IC4.V16 IC4.W13 IC4.Y10 IC4.Y20 IC10.12 IC17.14 IC24.1 IC27.14 J8.2 L7.2 L8.2 L47.2 OSC2.2 R57.2 R89.1 R93.1 R94.2 R95.2 R96.2 R185.2 R188.2 R381.2
VCCAUX: C59.2 C98.2 C111.2 C117.2 C118.2 C119.2 C219.2 C233.2 C235.2 IC4.H12 IC4.K12 IC4.M12 IC4.P12 IC4.R11 L26.2
VCCBRAM: C56.2 C99.2 C120.2 C121.2 C122.2 C149.2 IC4.J11 IC4.L11 IC4.N11 L13.2
VREF_DDR3: C162.2 C163.2 C177.2 IC8.H1 IC8.M8 IC9.6
VTT_DDR3: C173.2 C174.2 IC9.3 IC9.5 R99.2 R100.2 R101.2 R102.2 R103.2 R104.2 R105.2 R106.2 R107.2 R108.2 R109.2 R110.2 R111.2 R112.2 R113.2 R114.2 R115.2 R116.2 R117.2 R118.2 R119.2 R120.1 R121.1
XADC_GND: C50.1 C51.1 IC4.K9 IC4.L9 IC4.L10 IC4.M9 IC4.M10 L5.2
XADC_VCC: C50.2 C51.2 IC4.K10 L4.2
pads on no net: FTG1.FTG2 FTG2.1 FTG3.1 FTG4.1 IC2A.14 IC2A.36 IC2A.48 IC2B.14 IC2B.36 IC2B.48 IC4.A4 IC4.A6 IC4.A8 IC4.A10 IC4.A18 IC4.A19 IC4.A20 IC4.A21 IC4.AA3 IC4.AA5 IC4.AA18 IC4.AA19 IC4.AA20 IC4.AA21 IC4.AB2 IC4.AB5 IC4.AB18 IC4.AB20 IC4.AB21 IC4.AB22 IC4.B4 IC4.B6 IC4.B8 IC4.B10 IC4.B20 IC4.B21 IC4.B22 IC4.C5 IC4.C11 IC4.C20 IC4.C22 IC4.D5 IC4.D11 IC4.D20 IC4.D21 IC4.D22 IC4.E3 IC4.E21 IC4.E22 IC4.F4 IC4.F15 IC4.F19 IC4.F20 IC4.F21 IC4.G21 IC4.G22 IC4.J16 IC4.M17 IC4.N13 IC4.N14 IC4.N15 IC4.N17 IC4.P15 IC4.P16 IC4.P17 IC4.P19 IC4.P20 IC4.R16 IC4.R17 IC4.R18 IC4.R19 IC4.T1 IC4.T18 IC4.T20 IC4.T21 IC4.U1 IC4.U2 IC4.U21 IC4.V17 IC4.V18 IC4.V19 IC4.V22 IC4.W17 IC4.W21 IC4.W22 IC4.Y3 IC4.Y4 IC4.Y11 IC4.Y12 IC4.Y17 IC4.Y21 IC4.Y22 IC5.8 IC6.5 IC7.2 IC7.3 IC7.4 IC7.13 IC7.14 IC7.15 IC7.17 IC8.J1 IC8.J9 IC8.L1 IC8.L9 IC8.M7 IC10.9 IC13.5 IC18.2 IC18.3 IC18.4 IC18.13 IC18.14 IC18.15 IC18.17 IC19.2 IC19.3 IC19.4 IC19.13 IC19.14 IC19.15 IC19.17 IC21.4 IC22.23 IC22.24 IC22.25 IC22.27 IC22.28 IC22.29 IC22.30 IC22.32 IC22.33 IC22.34 IC22.40 IC22.41 IC23.1 IC23.2 IC23.3 IC23.4 IC23.5 IC25.2 IC25.3 IC25.4 IC25.13 IC25.14 IC25.15 IC25.17 IC27.3 IC27.4 IC27.5 IC27.6 IC27.11 IC27.12 IC27.13 IC28.1 IC28.2 IC28.3 IC28.6 IC28.7 IC28.8 IC29.1 IC29.7 IC29.8 IC29.9 IC29.10 IC29.16 IC30.1 IC31.1 IC31.2 IC31.3 IC31.4 IC31.5 IC31.6 J8.12 J8.14 J8.15 J8.16 J9.MECH1 J9.MECH2 J10.MECH1 J10.MECH2 J11.MECH1 J11.MECH2 J22.MECH1 J22.MECH2 L44.1 L48.1 L48.2 L48.3 L48.4 L49.1 L49.2 L50.1 L50.2 L51.1 L51.2 L51.3 L51.4 L52.1 L52.2 OSC2.1 R42.2 R43.1 U1.L11
copper on no net: | length 1.8
  L6 w0.152: v1(295.992,65.579) 296.669,65.579 296.789,65.699 297.299,65.699 297.299,65.629 297.692,65.629
  other v1: 97.6,107.4

## Polygon pours and split planes (outlines as drawn)
GND on P5 (split plane): 159.484,0.51 0.51,0.51 0.51,8.32 0.501,8.419 0.472,8.515 0.424,8.603 0.361,8.681 -1.49,10.531 -1.49,83.025 -1.49,89.789 -0.639,90.639 0.361,91.639 0.424,91.716 0.472,91.805 0.501,91.9 0.51,92 0.51,99.489 159.484,99.489

## Keep-outs
L1:
  lines w0.254: 6.302,3.398 6.302,2.816 6.404,2.715 ; 6.404,6.268 6.404,8.382 ; 6.404,91.562 6.404,92.302 ; 6.404,96.591 6.404,97.003 ; 6.429,93.568 6.429,95.168
L6:
  lines w0.254: 6.404,2.715 6.404,8.382 ; 6.404,91.562 6.404,97.003
Keep-Out Layer:
  lines w0.203: 6.404,8.382 0.305,8.382 -1.949,10.636 -1.949,89.763 -0.151,91.562 6.404,91.562 ; 6.404,97.003 154.85,97.003 ; 159,8.147 159,91.828
  lines w0.254: 6.404,2.715 7.016,2.103 117.377,2.103 118.074,2.8 155.579,2.8

## Other copper
L1:
  pour cut-out: 8.396,36.406 25.648,36.406 27.008,35.046 40.859,35.046 42.833,33.072 48.646,33.072 49.3,33.726 49.3,36.654 50.287,37.641 58.857,37.641 60.906,35.592 60.906,31.276 59.34,29.71 57.46,29.71 56.15,28.4 56.15,26.526 55.28,25.656 32.841,25.656 31.893,26.604 31.893,29.513 30.127,31.279 24.901,31.279 20.813,27.191 11.853,27.191 10.751,28.292 10.751,33.746 9.394,35.104 8.396,35.104
  pour cut-out: 8.5,53.302 25.752,53.302 27.112,51.942 40.963,51.942 42.937,49.968 48.75,49.968 49.404,50.622 49.404,53.55 50.391,54.537 58.961,54.537 61.01,52.488 61.01,48.172 59.444,46.606 57.564,46.606 56.254,45.296 56.254,43.422 55.384,42.553 32.945,42.553 31.997,43.5 31.997,46.409 30.231,48.175 25.005,48.175 20.917,44.087 11.957,44.087 10.855,45.189 10.855,50.642 9.498,52 8.5,52

## Silkscreen, mask and mechanical layers (free items; w line width, h text height)
Top Overlay:
  drawing of 1244 lines, arcs and shapes, not listed
  text "WUT ISE 2019" at 39.275,159.425 h1.02 r90
  text "Urukul v1.4" at 35.7,158.325 h1.5 r90
  text "TP0" at 235.857,155.909 h0.76
  text "TP1" at 237.991,152.658 h0.76
  text "P2V1" at 226.45,135.38 h0.76
  text "P1V8A" at 131.687,121.307 h0.76
  text "TP4" at 143.117,119.986 h0.76
  text "TP2" at 138.621,119.91 h0.76
  text "AD9910" at 132.675,117.75 h0.89
  text "TP3" at 140.907,116.684 h0.76
  text "MODE" at 166.475,104.775 h0.76 r90
  text "P3V3_MP" at 179.275,103.625 h0.76
  text "P3V3_MP" at 165.175,96.9 h0.76 r90
  text "G" at 8.563,93.822 h1.02
  text "G" at 11.154,89.55 h1.02
  text "RF OUT 0" at 7.903,87.65 h0.76
  text "G" at 11.154,72.664 h1.02
  text "JTAG" at 149.9,71.85 h1.52 r90
  text "RF OUT 1" at 7.75,70.607 h0.76
  text "EEM 1" at 132.413,61.753 h1.52
  text "EEM 0" at 150.9,61.653 h1.52
  text "G" at 10.62,55.65 h1.02
  text "RF OUT 2" at 7.852,53.639 h0.76
  text "P3V3" at 269.215,51.512 h0.76
  text "P12V0" at 299.124,49.1 h0.76
  text "P3V6" at 268.014,47.361 h0.76
  text "P3V3A" at 268.014,45.004 h0.76
  text "G" at 10.57,38.679 h1.02
  text "RF OUT 3" at 7.623,36.647 h0.76
  text "G" at 11.001,21.625 h1.02
  text "EXT CLK IN" at 7.547,19.349 h0.76
  text "P5V0" at 37.634,18.903 h0.76
  text "P7V0" at 17.009,17.811 h0.76
  text "INT CLK IN" at 16.348,15.728 h0.76
  text "TP6" at 157.15,14.303 h0.76
  text "TP8" at 152.282,13.055 h0.76 r90
  text "TP7" at 153.065,9.95 h0.76
  text "TP5" at 155.825,9.95 h0.76
  text "P5V0A" at 32.833,8.895 h0.76
  text "P3V6" at 33.316,7.422 h0.76
  text "G" at 9.046,5.9 h1.02
Bottom Overlay:
  drawing of 1237 lines, arcs and shapes, not listed
  text "Urukul v1.3" at 123.49,65.469 h1.5
Bottom Paste:
  drawing of 164 lines, arcs and shapes, not listed
Bottom Solder:
  rectangle: 268.131,69.942 271.084,72.701
  rectangle: 315.207,50.324 316.787,51.955
Mechanical 1:
  drawing of 409 lines, arcs and shapes, not listed
  text "Layer" at 7.941,154.414 h1.52
  text "Name" at 18.352,154.414 h1.52
  text "Material" at 41.968,154.414 h1.52
  text "Thickness" at 63.806,154.414 h1.52
  text "Constant" at 80.312,154.414 h1.52
  text "Board Layer Stack" at 94.786,154.414 h1.52
  text "Top Overlay" at 18.352,151.366 h1.52
  text "Top Solder" at 18.352,148.318 h1.52
  text "Solder Resist" at 41.968,148.318 h1.52
  text "0,034mm" at 63.806,148.318 h1.52
  text "3,5" at 80.312,148.318 h1.52
  text "1" at 7.941,145.27 h1.52
  text "L1" at 18.352,145.27 h1.52
  text "Copper" at 41.968,145.27 h1.52
  text "0,058mm" at 63.806,145.27 h1.52
  text "Dielectric1" at 18.352,142.222 h1.52
  text "FR4" at 41.968,142.222 h1.52
  text "0,180mm" at 63.806,142.222 h1.52
  text "3,66" at 80.312,142.222 h1.52
  text "2" at 7.941,139.174 h1.52
  text "L2" at 18.352,139.174 h1.52
  text "Copper" at 41.968,139.174 h1.52
  text "0,018mm" at 63.806,139.174 h1.52
  text "Dielectric 9" at 18.352,136.126 h1.52
  text "FR4" at 41.968,136.126 h1.52
  text "0,460mm" at 63.806,136.126 h1.52
  text "4,2" at 80.312,136.126 h1.52
  text "3" at 7.941,133.078 h1.52
  text "L3" at 18.352,133.078 h1.52
  text "Copper" at 41.968,133.078 h1.52
  text "0,018mm" at 63.806,133.078 h1.52
  text "Dielectric 8" at 18.352,130.03 h1.52
  text "0,180mm" at 63.806,130.03 h1.52
  text "4,2" at 80.312,130.03 h1.52
  text "4" at 7.941,126.982 h1.52
  text "L4" at 18.352,126.982 h1.52
  text "Copper" at 41.968,126.982 h1.52
  text "0,018mm" at 63.806,126.982 h1.52
  text "Dielectric4" at 18.352,123.934 h1.52
  text "FR4" at 41.968,123.934 h1.52
  text "0,460mm" at 63.806,123.934 h1.52
  text "4,2" at 80.312,123.934 h1.52
  text "5" at 7.941,120.886 h1.52
  text "P5" at 18.352,120.886 h1.52
  text "Copper" at 41.968,120.886 h1.52
  text "0,018mm" at 63.806,120.886 h1.52
  text "Dielectric3" at 18.352,117.838 h1.52
  text "FR4" at 41.968,117.838 h1.52
  text "0,180mm" at 63.806,117.838 h1.52
  text "4,2" at 80.312,117.838 h1.52
  text "6" at 7.941,114.79 h1.52
  text "L6" at 18.352,114.79 h1.52
  text "Copper" at 41.968,114.79 h1.52
  text "0,058mm" at 63.806,114.79 h1.52
  text "Bottom Solder" at 18.352,111.742 h1.52
  text "Solder Resist" at 41.968,111.742 h1.52
  text "0,034mm" at 63.806,111.742 h1.52
  text "3,5" at 80.312,111.742 h1.52
  text "Bottom Overlay" at 18.352,108.694 h1.52
Mechanical 2:
  lines w0.1: -2.544,-14.238 -2.544,108.444
SHIELD:
  lines w1: 10.1,22.9 10.1,4.9 10.1,4.4 62.1,4.4 ; 107.137,71.856 107.137,94.4 62.1,94.4 62.1,71.9 ; 10.1,38.9 10.1,55.9 ; 10.1,38.9 62.1,38.9 ; 10.1,38.9 10.1,21.9 62.1,21.9 ; 10.1,55.9 10.1,72.9 ; 10.1,55.9 62.1,55.9 ; 10.1,72.9 62.1,72.9 ; 10.1,72.9 10.1,89.9 23.1,89.9 62.1,89.9 62.1,72.9 ; 62.1,4.4 107.1,4.4 107.1,71.9 ; 62.1,4.4 62.1,21.9 ; 62.1,4.4 62.1,4.4 ; 62.1,21.9 62.1,38.9 ; 62.1,38.9 62.1,55.9 ; 62.1,55.9 62.1,72.9 ; 62.1,71.9 107.1,71.9 ; 62.1,71.9 107.1,71.9 ; 62.1,26.9 107.1,26.9 62.1,26.9 ; 62.1,49.4 107.1,49.4 62.1,49.4
Mechanical 13:
  lines w0.01: -3.35,-0.784 -3.35,80.924

## Text inside footprints (layer, text, board x,y; h text height)
IC8: Mechanical 14 "L" at 110.125,21.95 h0.4 r90; Mechanical 14 "K" at 109.325,21.95 h0.4 r90; Mechanical 14 "M" at 110.925,21.95 h0.4 r90; Mechanical 14 "H" at 107.725,21.95 h0.4 r90; Mechanical 14 "G" at 106.925,21.95 h0.4 r90; Mechanical 14 "F" at 106.125,21.95 h0.4 r90; Mechanical 14 "E" at 105.325,21.95 h0.4 r90; Mechanical 14 "D" at 104.525,21.95 h0.4 r90; Mechanical 14 "C" at 103.725,21.95 h0.4 r90; Mechanical 14 "B" at 102.925,21.95 h0.4 r90; Mechanical 14 "N" at 111.725,21.95 h0.4 r90; Mechanical 14 "P" at 112.525,21.95 h0.4 r90; Mechanical 14 "R" at 113.325,21.95 h0.4 r90; Mechanical 14 "J" at 108.525,21.95 h0.4 r90; Mechanical 14 "T" at 114.125,21.95 h0.4 r90; Mechanical 14 "1" at 100.65,23.225 h0.4 r90; Mechanical 14 "2" at 100.65,24.025 h0.4 r90; Mechanical 14 "3" at 100.65,24.825 h0.4 r90; Mechanical 14 "7" at 100.65,28.025 h0.4 r90; Mechanical 14 "8" at 100.65,28.825 h0.4 r90; Mechanical 14 "9" at 100.65,29.625 h0.4 r90
IC28: Top Overlay "1" at 85.55,72.87 h1.5 r180; Top Overlay "8" at 85.55,90.65 h1.5 r180; Mechanical 14 "1" at 85.55,72.87 h1.5 r180; Mechanical 14 "8" at 85.55,90.65 h1.5 r180; Mechanical 8 "7" at 85.55,88.11 h1.5 r180; Mechanical 8 "6" at 85.55,85.57 h1.5 r180; Mechanical 8 "5" at 85.55,83.03 h1.5 r180; Mechanical 8 "3" at 85.55,77.95 h1.5 r180; Mechanical 8 "2" at 85.55,75.41 h1.5 r180
J1: Top Overlay "30" at 157.051,20.873 h1.02 r270; Mechanical 14 "30" at 157.051,20.873 h1.02 r270
J12: Top Overlay "30" at 138.281,20.899 h1.02 r270; Mechanical 14 "30" at 138.281,20.899 h1.02 r270